# Altium PCB rf_detector.PcbDoc (part 1 of 3) (continued)
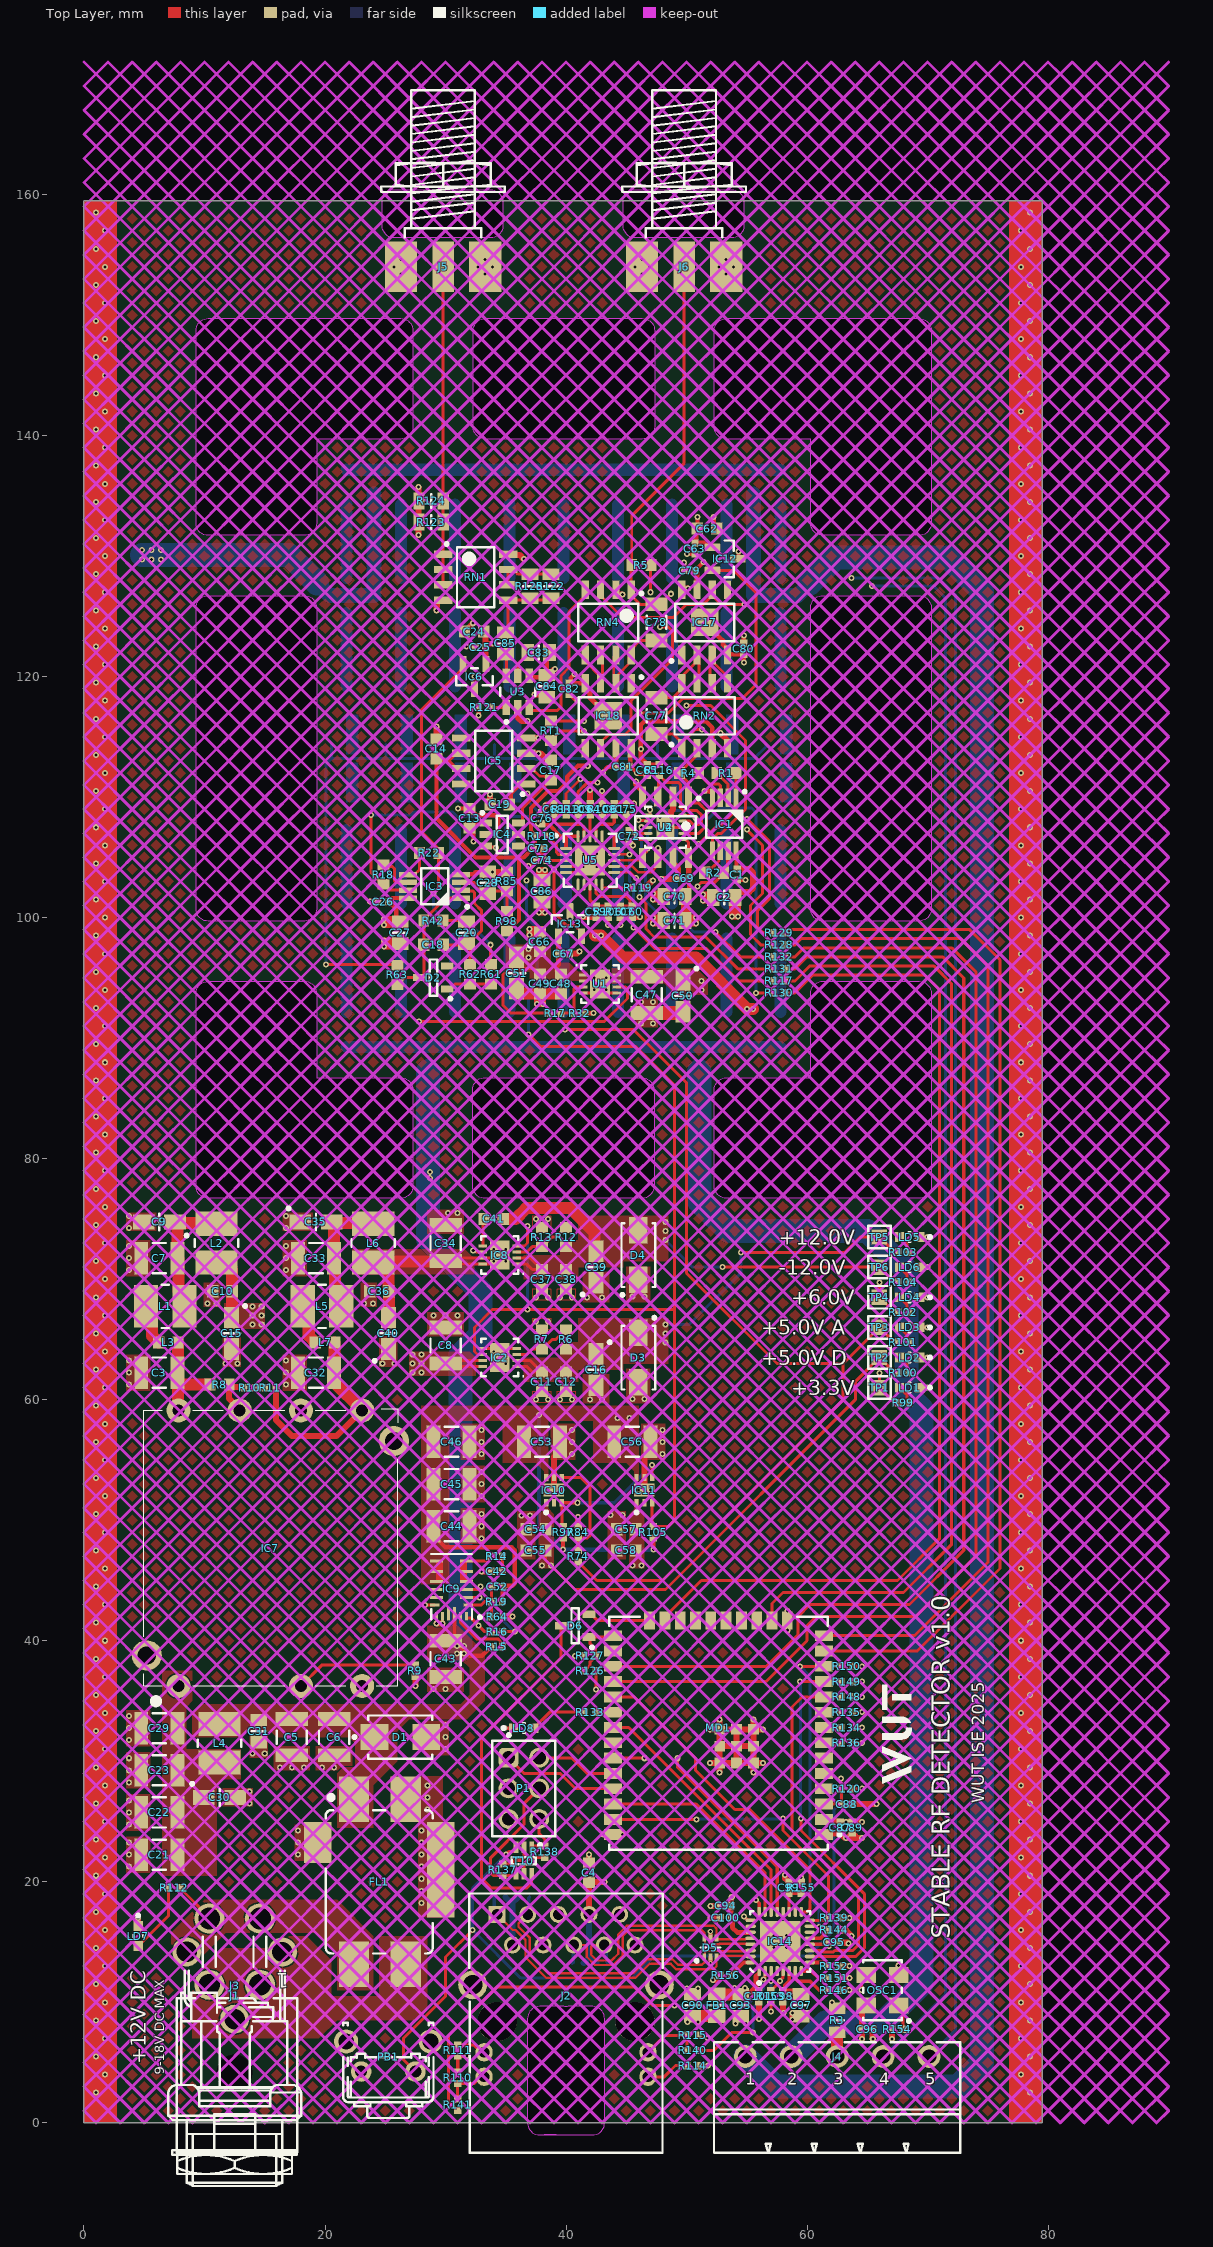
[diagram p0: Top Layer view]
## Classes and differential pairs
net class Ethernet: PHY_RD_N PHY_RD_P PHY_TD_N PHY_TD_P
differential pair class Ethernet: PHY_RD PHY_TD
net class Hpower: N13V0S NetC3_2 P12V0FIL
component class "RF Detector": C77 C78 C79 C80 C81 C82 C83 C84 C85 IC17 IC18 R121 R122 R123 R124 R125 RN1 RN2 RN4 U3
component class rf_detector_top: C1 C2 C4 D5 IC1 J2 J4 J5 J6 R1 R2 R3 R4 R5 R110 R111 R114 R115 RT1
component class "Power Supply": C3 C5 C6 C7 C8 C9 C10 C11 C12 C13 C14 C15 C16 C17 C19 C21 C22 C23 C29 C30 C31 C32 C33 C34 C35 C36 C37 C38 C39 C40 C41 C42 C43 C44 C45 C46 C47 C48 C49 C50 C51 C52 C53 C54 C55 C56 C57 C58 D1 D3 D4 FL1 IC2 IC4 IC5 IC7 IC8 IC9 IC10 IC11 J1 J3 L1 L2 L3 L4 L5 L6 L7 LD1 LD2 LD3 LD4 LD5 LD6 LD7 R6 R7 R8 R9 R10 R11 R12 R13 R14 R15 R16 R17 R19 R32 R64 R74 R84 R97 R99 R100 R101 R102 R103 R104 R105 R112 TP1 TP2 TP3 TP4 TP5 TP6 U1
component class "ESP32 and Ethernet": C87 C88 C89 C90 C93 C94 C95 C96 C97 C98 C99 C100 C101 D6 FB1 IC14 LD8 MD1 OSC1 P1 PB1 R120 R126 R127 R128 R129 R130 R131 R132 R133 R134 R135 R136 R137 R138 R139 R140 R141 R142 R143 R144 R145 R146 R147 R148 R149 R150 R151 R152 R153 R154 R155 R156 T10
component class "ADC & DAC": C59 C60 C61 C62 C63 C64 C65 C66 C67 C68 C69 C70 C71 C72 C73 C74 C75 C76 C86 IC12 IC13 R106 R107 R108 R109 R113 R116 R117 R118 R119 U2 U4 U5
net class PWR: P12V0
component class "Temperature Regulator": C18 C20 C24 C25 C26 C27 C28 D2 IC3 IC6 R18 R20 R21 R22 R23 R24 R25 R26 R27 R28 R29 R30 R31 R33 R34 R35 R36 R37 R38 R39 R40 R41 R42 R43 R44 R45 R46 R47 R48 R49 R50 R51 R52 R53 R54 R55 R56 R57 R58 R59 R60 R61 R62 R63 R65 R66 R67 R68 R69 R70 R71 R72 R73 R75 R76 R77 R78 R79 R80 R81 R82 R83 R85 R86 R87 R88 R89 R90 R91 R92 R93 R94 R95 R96 R98 SCREW1 SCREW2 SCREW3 SCREW4 T1 T2 T3 T4 T5 T6 T7 T8 T9
differential pair PHY_TD: +PHY_TD_P -PHY_TD_N
differential pair PHY_RD: +PHY_RD_P -PHY_RD_N

## Components (designator, comment, footprint, x,y, rotation, side; value= is the part's Value field where it differs from the comment)
C1 "100nF" CAPC1005X55N 54.225,103.575 r90 top
C2 "10uF" CAPC2012X135N 53.125,101.675 r0 top
C3 "22uF" CAPC3225X140N 6.25,62.25 r0 top
C4 "10nF" CAPC1608X87N 41.905,20.75 r270 top
C5 "22uF" CAPC3225X140N 17.25,32 r90 top
C6 "22uF" CAPC3225X140N 20.75,32 r90 top
C7 "22uF" CAPC3225X140N 6.25,71.75 r0 top
C8 "22uF" CAPC3225X140N 30,64.5 r270 top
C9 "10uF" CAPMP3216X180N 6.25,74.75 r180 top
C10 "1uF" CAPC1608X87N 11.5,69 r0 top
C11 "1uF" CAPC1608X87N 38,61.5 r90 top
C12 "1uF" CAPC1608X87N 40,61.5 r90 top
C13 "1uF" CAPC1608X87N 32,108.25 r270 top
C14 "1uF" CAPC1608X87N 29.25,114 r270 top
C15 "10uF" CAPMP3216X180N 12.25,65.5 r270 top
C16 "10uF" CAPMP3216X180N 42.5,62.5 r270 top
C17 "1uF" CAPC1608X87N 38.75,112.25 r270 top
C18 "100pF" CAPC1608X87N 28.996,97.75 r180 top
C19 "1uF" CAPC1608X87N 34.5,109.4 r0 top
C20 "22uF" CAPC2012X135N 31.746,98.75 r90 top
C21 "22uF" CAPC3225X140N 6.25,22.25 r0 top
C22 "22uF" CAPC3225X140N 6.25,25.75 r0 top
C23 "22uF" CAPC3225X140N 6.25,29.25 r0 top
C24 "1uF" CAPC1608X87N 32.375,123.725 r0 top
C25 "100nF" CAPC1005X55N 32.9,122.45 r0 top
C26 "100nF" CAPC1005X55N 24.838,101.323 r0 top
C27 "10uF" CAPC2012X135N 26.246,98.75 r90 top
C28 "47nF" CAPC2012X135N 33.5,102.9 r270 top
C29 "22uF" CAPC3225X140N 6.25,32.75 r0 top
C30 "10uF" CAPMP3216X180N 11.25,27 r0 top
C31 "22uF" CAPC2012X135N 14.5,32.5 r90 top
C32 "22uF" CAPC3225X140N 19.25,62.25 r0 top
C33 "22uF" CAPC3225X140N 19.25,71.75 r0 top
C34 "22uF" CAPC3225X140N 30,73 r270 top
C35 "10uF" CAPMP3216X180N 19.25,74.75 r0 top
C36 "1uF" CAPC1608X87N 24.5,69 r0 top
C37 "1uF" CAPC1608X87N 38,70 r90 top
C38 "1uF" CAPC1608X87N 40,70 r90 top
C39 "10uF" CAPMP3216X180N 42.5,71 r90 top
C40 "10uF" CAPMP3216X180N 25.25,65.5 r90 top
C41 "10nF" CAPC1608X87N 34,75 r180 top
C42 "470pF" CAPC1005X55N 34.25,45.75 r180 top
C43 "22uF" CAPC3225X140N 30,38.5 r90 top
C44 "22uF" CAPC3225X140N 30.5,49.5 r180 top
C45 "22uF" CAPC3225X140N 30.5,53 r180 top
C46 "22uF" CAPC3225X140N 30.5,56.5 r180 top
C47 "22uF" CAPC3225X140N 46.7,93.6 r90 top
C48 "1uF" CAPC1608X87N 39.575,94.5 r90 top
C49 "1uF" CAPC1608X87N 37.825,94.5 r90 top
C50 "10uF" CAPMP3216X180N 49.7,93.5 r270 top
C51 "10uF" CAPMP3216X180N 35.9,95.4 r270 top
C52 "22pF" CAPC1005X55N 34.28,44.5 r0 top
C53 "22uF" CAPC3225X140N 38,56.5 r180 top
C54 "1uF" CAPC1608X87N 37.5,49.25 r0 top
C55 "1uF" CAPC1608X87N 37.5,47.5 r0 top
C56 "22uF" CAPC3225X140N 45.5,56.5 r180 top
C57 "1uF" CAPC1608X87N 45,49.25 r0 top
C58 "1uF" CAPC1608X87N 45,47.5 r0 top
C59 "10nF" CAPC1005X55N 42.5,100.5 r90 top
C60 "10nF" CAPC1005X55N 45.5,100.5 r90 top
C61 "100nF" CAPC1005X55N 44,109 r270 top
C62 "1uF" CAPC1608X87N 51.7,132.275 r180 top
C63 "100nF" CAPC1005X55N 50.7,130.625 r90 top
C64 "100nF" CAPC1005X55N 42,109 r270 top
C65 "100nF" CAPC1005X55N 46.75,112.25 r90 top
C66 "1uF" CAPC1608X87N 37.825,98 r270 top
C67 "100nF" CAPC1005X55N 39.825,97 r180 top
C68 "100nF" CAPC1005X55N 39,109 r270 top
C69 "100nF" CAPC1005X55N 49.75,103.25 r0 top
C70 "10uF" CAPC2012X135N 49,101.75 r0 top
C71 "10uF" CAPC2012X135N 49,99.75 r0 top
C72 "100nF" CAPC1005X55N 45.25,106.75 r270 top
C73 "100nF" CAPC1005X55N 37.75,105.75 r180 top
C74 "100nF" CAPC1005X55N 38,104.75 r0 top
C75 "100nF" CAPC1005X55N 45,109 r270 top
C76 "100nF" CAPC1005X55N 38,108.25 r270 top
C77 "47pF" CAPC3216X94N 47.5,116.75 r270 top
C78 "47pF" CAPC3216X94N 47.5,124.5 r90 top
C79 "100nF" CAPC1005X55N 50.25,128.804 r0 top
C80 "100nF" CAPC1005X55N 54.75,122.304 r270 top
C81 "100nF" CAPC1005X55N 44.75,112.5 r180 top
C82 "100nF" CAPC1005X55N 40.25,119 r90 top
C83 "47nF" CAPC2012X135N 37.725,122 r180 top
C84 "47nF" CAPC2012X135N 38.4,119.2 r90 top
C85 "47nF" CAPC2012X135N 34.975,122.75 r270 top
C86 "10uF" CAPC2012X135N 38,102.2 r90 top
C87 "1uF" CAPC1005X55N 62.75,24.5 r90 top
C88 "1uF" CAPC1005X55N 63.3,26.45 r180 top
C89 "1uF" CAPC1005X55N 63.75,24.5 r90 top
C90 "10uF" CAPC2012X135N 50.5,9.75 r90 top
C93 "10uF" CAPC2012X135N 54.5,9.75 r270 top
C94 "100nF" CAPC1005X55N 53.25,18 r0 top
C95 "100nF" CAPC1005X55N 62.25,15 r180 top
C96 "100nF" CAPC1005X55N 65,7.75 r180 top
C97 "10uF" CAPC2012X135N 59.5,9.75 r270 top
C98 "100nF" CAPC1005X55N 58,10.5 r90 top
C99 "1uF" CAPC1005X55N 58.5,19.5 r270 top
C100 "100nF" CAPC1005X55N 53.25,17 r0 top
C101 "100nF" CAPC1005X55N 56,10.5 r90 top
D1 "SMBJ12A" DIOM5336X265N 26.25,32 r0 top
D2 "BZX84C6V2" SOT95P248X115-3N 28.996,95.027 r180 top
D3 "SS16" DIOM5127X229N 46,63.5 r270 top
D4 "SS16" DIOM5127X229N 46,72 r90 top
D5 "NUP4114UPXV6T1G" SOTFL50P160X60-6N 51.982,14.544 r90 top
D6 "BAT54C" SOT95P240X130-3N 40.75,41.25 r180 top
FB1 "220R@100MHz" INDC2012X105N 52.5,9.75 r270 top
FL1 "10A/50VDC" FIL_MURATA_BNX02 24.5,20 r90 top
IC1 "ADA4522-2ARMZ" SOP65P490X110-8N 53.125,107.75 r270 top
IC2 "LT1965EDD#TRPBF" LT-DD-8_V 34.5,63.5 r180 top
IC3 "ADA4522-2ARMZ" SOP65P490X110-8N 29.1,102.6 r180 top
IC4 "TPS22810DBV" SOT95P280X145-6N 34.7,106.9 r0 top
IC5 "MAX6126AASA21" SOIC127P600X175-8N 34,113 r180 top
IC6 "TMP235A2DBZR" FP-DBZ0003A-MFG 32.4,120 r270 top
IC7 "" CC6-1212DF-E 5.21,38.79 r90 top
IC8 "LT1964EDD#TRPBF" LT-DD-8_V 34.5,72 r180 top
IC9 "MPM3630GQV-Z" MPM3610A 30.5,44.5 r180 top
IC10 "LP5912-5.0DRVT" SON65P200X200X80-7N-R110X170 39,52.5 r90 top
IC11 "LP5912-3.3DRVT" SON65P200X200X80-7N-R110X170 46.5,52.5 r90 top
IC12 "TMP235A2DBZR" FP-DBZ0003A-MFG 53.2,129.775 r0 top
IC13 "TMP235A2DBZR" FP-DBZ0003A-MFG 40.325,99.5 r90 top
IC14 "LAN8710A-EZC" QFN50P500X500X100-33N-S340 57.775,15.05 r90 top
IC17 "ADA4898-1YRDZ" SOIC127P600X175-9N-S229 51.5,124.5 r90 top
IC18 "ADA4898-1YRDZ" SOIC127P600X175-9N-S229 43.5,116.75 r270 top
J1 "Mini-Fit Jr.™" MOLEX_39-30-0040 12.5,14.2 r180 top locked
J2 "RJ45" ABRACON_ARJM11C7-114-BA-EW2 40,8.4 r0 top locked
J3 "Jack" SWITCHCRAFT_712RA 12.5,8.6 r0 top locked
J4 "" PHOENIX_1803303 62.5,5.5 r0 top locked
J5 "SMA" MOLEX_73251-2121 29.8,154 r270 top
J6 "SMA" MOLEX_73251-2121 49.8,154 r270 top
L1 "10uH" IND_MURATA-PS_8400 6.75,67.75 r0 top
L2 "10uH" IND_MURATA-PS_8400 11,73 r270 top
L3 "120R@100MHz" INDC1608X95N 7,64.75 r180 top
L4 "10uH" IND_MURATA-PS_8400 11.25,31.5 r270 top
L5 "10uH" IND_MURATA-PS_8400 19.75,67.75 r0 top
L6 "10uH" IND_MURATA-PS_8400 24,73 r270 top
L7 "120R@100MHz" INDC1608X95N 20,64.75 r180 top
LD1 "Green" LED_KINGBRIGHT_KPH-1608CGCK 68.5,61 r180 top
LD2 "Green" LED_KINGBRIGHT_KPH-1608CGCK 68.5,63.5 r180 top
LD3 "Green" LED_KINGBRIGHT_KPH-1608CGCK 68.5,66 r180 top
LD4 "Green" LED_KINGBRIGHT_KPH-1608CGCK 68.5,68.5 r180 top
LD5 "Green" LED_KINGBRIGHT_KPH-1608CGCK 68.5,73.5 r180 top
LD6 "Green" LED_KINGBRIGHT_KPH-1608CGCK 68.5,71 r0 top
LD7 "Green" LED_KINGBRIGHT_KPH-1608CGCK 4.5,15.5 r270 top
LD8 "Green" LED_KINGBRIGHT_KPH-1608CGCK 36.5,32.75 r0 top
MD1 "ESP32-WROOM-32UE (4MB)" FP-ESP32-WROOM-32UE_4MB-MFG 52.65,32.32 r180 top
OSC1 "50MHz" OSCSC254P320X500X130-4N 66.25,11 r180 top
P1 "61300621121" 61300621121 36.5,27.75 r270 top
PB1 "Push Button" PB_ALPS_SKHHLMA010 25.25,5.5 r90 top locked
R1 "1k" RESC1608X55N 53.3,112 r0 top
R2 "1k" RESC1608X55N 52.275,103.725 r0 top
R3 "0" RESC2012X60N 62.5,8.5 r270 top
R4 "1k" RESC1608X55N 50.2,112 r0 top
R5 "1k" RESC1608X55N 46.25,129.25 r0 top
R6 "24k" RESC1608X55N 40,65 r270 top
R7 "2k7" RESC1608X55N 38,65 r270 top
R8 "Undefined" RESC1608X55N 11.25,61.25 r0 top
R9 "0" RESC1005X40N 27.5,37.5 r270 top
R10 "18k" RESC1005X40N 13.75,61 r180 top
R11 "18k" RESC1005X40N 15.47,61 r180 top
R12 "24k" RESC1608X55N 40,73.5 r270 top
R13 "2k7" RESC1608X55N 38,73.5 r270 top
R14 "4R7" RESC1005X40N 34.25,47 r0 top
R15 "100k" RESC1005X40N 34.25,39.5 r180 top
R16 "10k" RESC1005X40N 34.28,40.75 r180 top
R17 "8k45" RESC1005X40N 39.12,92.075 r180 top
R18 "1k" RESC1608X55N 24.85,103.573 r270 top
R19 "51k" RESC1005X40N 34.25,43.25 r0 top
R20 "0" RESC2012X60N 28.55,88.25 r270 bottom
R21 "0" RESC2012X60N 51.05,88.25 r270 bottom
R22 "1k" RESC1608X55N 28.635,105.373 r180 top
R23 "43" RESC3216X65N 57.8,90.715 r270 bottom
R24 "43" RESC3216X65N 53.3,90.715 r270 bottom
R25 "43" RESC3216X65N 48.8,90.715 r270 bottom
R26 "43" RESC3216X65N 44.3,90.715 r270 bottom
R27 "43" RESC3216X65N 39.8,90.715 r270 bottom
R28 "43" RESC3216X65N 35.3,90.715 r270 bottom
R29 "43" RESC3216X65N 30.8,90.715 r270 bottom
R30 "43" RESC3216X65N 26.3,90.715 r270 bottom
R31 "43" RESC3216X65N 21.8,90.715 r270 bottom
R32 "2k7" RESC1005X40N 41.15,92.075 r180 top value=2K7
R33 "43" RESC3216X65N 57.8,99.715 r270 bottom
R34 "43" RESC3216X65N 53.8,99.715 r270 bottom
R35 "43" RESC3216X65N 48.8,99.715 r270 bottom
R36 "43" RESC3216X65N 44.3,99.715 r270 bottom
R37 "43" RESC3216X65N 39.8,99.715 r270 bottom
R38 "43" RESC3216X65N 35.3,99.715 r270 bottom
R39 "43" RESC3216X65N 30.8,99.715 r270 bottom
R40 "43" RESC3216X65N 26.3,99.715 r270 bottom
R41 "43" RESC3216X65N 21.8,99.715 r270 bottom
R42 "10M" RESC1608X55N 28.996,99.75 r180 top
R43 "43" RESC3216X65N 57.8,108.715 r270 bottom
R44 "43" RESC3216X65N 53.3,108.715 r270 bottom
R45 "43" RESC3216X65N 48.8,108.715 r270 bottom
R46 "43" RESC3216X65N 44.3,108.715 r270 bottom
R47 "43" RESC3216X65N 39.8,108.715 r270 bottom
R48 "43" RESC3216X65N 35.3,108.715 r270 bottom
R49 "43" RESC3216X65N 30.8,108.715 r270 bottom
R50 "43" RESC3216X65N 26.3,108.715 r270 bottom
R51 "43" RESC3216X65N 21.8,108.715 r270 bottom
R52 "0" RESC1608X55N 58.275,113.215 r270 bottom
R53 "0" RESC1608X55N 53.775,113.215 r270 bottom
R54 "0" RESC1608X55N 49.275,113.215 r270 bottom
R55 "0" RESC1608X55N 44.775,113.215 r270 bottom
R56 "0" RESC1608X55N 40.275,113.215 r270 bottom
R57 "0" RESC1608X55N 35.775,113.215 r270 bottom
R58 "0" RESC1608X55N 31.275,113.215 r270 bottom
R59 "0" RESC1608X55N 26.775,113.215 r270 bottom
R60 "0" RESC1608X55N 22.275,113.215 r270 bottom
R61 "1k" RESC1608X55N 33.781,95.3 r270 top
R62 "100k" RESC1608X55N 32.031,95.3 r90 top
R63 "10k" RESC1608X55N 25.996,95.25 r90 top
R64 "5k62" RESC1005X40N 34.28,42 r180 top
R65 "43" RESC3216X65N 57.8,117.715 r270 bottom
R66 "43" RESC3216X65N 53.3,117.715 r270 bottom
R67 "43" RESC3216X65N 48.8,117.715 r270 bottom
R68 "43" RESC3216X65N 44.3,117.715 r270 bottom
R69 "43" RESC3216X65N 39.8,117.715 r270 bottom
R70 "43" RESC3216X65N 35.3,117.715 r270 bottom
R71 "43" RESC3216X65N 30.8,117.715 r270 bottom
R72 "43" RESC3216X65N 26.3,117.715 r270 bottom
R73 "43" RESC3216X65N 21.8,117.715 r270 bottom
R74 "5k62" RESC1005X40N 41,47 r90 top
R75 "43" RESC3216X65N 57.8,126.715 r270 bottom
R76 "43" RESC3216X65N 53.3,126.715 r270 bottom
R77 "43" RESC3216X65N 48.8,126.715 r270 bottom
R78 "43" RESC3216X65N 44.3,126.715 r270 bottom
R79 "43" RESC3216X65N 39.8,126.715 r270 bottom
R80 "43" RESC3216X65N 35.3,126.715 r270 bottom
R81 "43" RESC3216X65N 30.8,126.715 r270 bottom
R82 "43" RESC3216X65N 26.3,126.715 r270 bottom
R83 "43" RESC3216X65N 21.8,126.715 r270 bottom
R84 "2k4" RESC1005X40N 41,49 r270 top
R85 "10k" RESC1608X55N 35.1,103 r270 top
R86 "43" RESC3216X65N 57.8,135.715 r270 bottom
R87 "43" RESC3216X65N 53.3,135.715 r270 bottom
R88 "43" RESC3216X65N 48.8,135.715 r270 bottom
R89 "43" RESC3216X65N 44.3,135.715 r270 bottom
R90 "43" RESC3216X65N 39.8,135.715 r270 bottom
R91 "43" RESC3216X65N 35.3,135.715 r270 bottom
R92 "43" RESC3216X65N 30.8,135.715 r270 bottom
R93 "43" RESC3216X65N 26.3,135.715 r270 bottom
R94 "43" RESC3216X65N 21.8,135.715 r270 bottom
R95 "0" RESC2012X60N 24.05,136.15 r90 bottom
R96 "0" RESC2012X60N 55.55,136.15 r90 bottom
R97 "10k" RESC1005X40N 39.75,49 r270 top
R98 "10k" RESC1608X55N 35.1,99.7 r270 top
R99 "1k" RESC1005X40N 68,59.75 r0 top
R100 "2k4" RESC1005X40N 68,62.25 r0 top
R101 "2k4" RESC1005X40N 68,64.75 r0 top
R102 "5k1" RESC1005X40N 68,67.25 r0 top
R103 "10k" RESC1005X40N 68,72.25 r180 top
R104 "10k" RESC1005X40N 68,69.75 r180 top
R105 "10k" RESC1005X40N 47.25,49 r270 top
R106 "1k" RESC1005X40N 43.5,100.5 r90 top
R107 "1k" RESC1005X40N 44.5,100.5 r90 top
R108 "10k" RESC1005X40N 43,109 r270 top
R109 "10k" RESC1005X40N 41,109 r270 top
R110 "10k" RESC1005X40N 31,3.75 r270 top
R111 "330" RESC1005X40N 31,6 r90 top
R112 "10k" RESC1005X40N 7.5,19.5 r180 top
R113 "10k" RESC1005X40N 40,109 r270 top
R114 "330" RESC1005X40N 50.5,4.75 r180 top
R115 "10k" RESC1005X40N 50.5,7.25 r180 top
R116 "0" RESC1005X40N 47.75,112.25 r90 top
R117 "33" RESC1005X40N 57.68,94.75 r180 top
R118 "0" RESC1005X40N 38,106.75 r180 top
R119 "0" RESC1005X40N 46,102.5 r0 top
R120 "10k" RESC1005X40N 63.3,27.72 r180 top
R121 "18k" RESC1005X40N 33.225,117.45 r180 top
R122 "24R9" RESC2012X60N 38.75,127.5 r270 top
R123 "100" RESC2012X60N 28.8,132.825 r0 top
R124 "100" RESC2012X60N 28.8,134.575 r0 top
R125 "24R9" RESC2012X60N 37,127.5 r270 top
R126 "10" RESC1005X40N 42,37.5 r0 top
R127 "1k" RESC1005X40N 42,38.75 r0 top
R128 "33" RESC1005X40N 57.68,97.75 r0 top
R129 "33" RESC1005X40N 57.68,98.75 r0 top
R130 "33" RESC1005X40N 57.68,93.75 r0 top
R131 "33" RESC1005X40N 57.68,95.75 r0 top
R132 "33" RESC1005X40N 57.68,96.75 r0 top
R133 "1k" RESC1005X40N 42,34.07 r180 top
R134 "10k" RESC1005X40N 63.3,32.8 r0 top
R135 "10k" RESC1005X40N 63.3,34.07 r0 top
R136 "1k" RESC1005X40N 63.3,31.53 r180 top
R137 "1k" RESC1005X40N 34.75,21 r270 top
R138 "1k" RESC1005X40N 38.25,22.5 r90 top
R139 "10k" RESC1005X40N 62.25,17 r0 top
R140 "330" RESC1005X40N 50.5,6 r180 top
R141 "330" RESC1005X40N 31,1.5 r90 top
R142 "49R9" RESC1005X40N 41,13.25 r180 bottom
R143 "49R9" RESC1005X40N 43,13.25 r0 bottom
R144 "10k" RESC1005X40N 62.25,16 r0 top
R145 "49R9" RESC1005X40N 34.5,18.75 r180 bottom
R146 "10k" RESC1005X40N 62.25,11 r0 top
R147 "49R9" RESC1005X40N 36.5,18.75 r0 bottom
R148 "10k" RESC1005X40N 63.3,35.34 r0 top
R149 "10k" RESC1005X40N 63.3,36.61 r0 top
R150 "10k" RESC1005X40N 63.3,37.88 r0 top
R151 "10k" RESC1005X40N 62.25,12 r0 top
R152 "10k" RESC1005X40N 62.25,13 r0 top
R153 "10" RESC1005X40N 57,10.5 r90 top
R154 "10k" RESC1005X40N 67.5,7.75 r180 top
R155 "10k" RESC1005X40N 59.5,19.5 r90 top
R156 "12k1" RESC1005X40N 53.25,12.25 r0 top
RN1 "100R" SOIC127P600X175-8N 32.5,128.25 r0 top
RN2 "10k" SOIC127P600X175-8N 51.5,116.75 r90 top
RN4 "10k" SOIC127P600X175-8N 43.5,124.5 r270 top
RT1 "10k" THERMC1608X90N 38.75,115.5 r90 top
T1 "PMV40UN2" SOT95P230X110-3N 57.525,113.215 r270 bottom
T2 "PMV40UN2" SOT95P230X110-3N 53.025,113.215 r270 bottom
T3 "PMV40UN2" SOT95P230X110-3N 48.525,113.215 r270 bottom
T4 "PMV40UN2" SOT95P230X110-3N 44.025,113.215 r270 bottom
T5 "PMV40UN2" SOT95P230X110-3N 39.525,113.215 r270 bottom
T6 "PMV40UN2" SOT95P230X110-3N 35.025,113.215 r270 bottom
T7 "PMV40UN2" SOT95P230X110-3N 30.525,113.215 r270 bottom
T8 "PMV40UN2" SOT95P230X110-3N 26.025,113.215 r270 bottom
T9 "PMV40UN2" SOT95P230X110-3N 21.525,113.215 r270 bottom
T10 "BC847BS" SOT65P210X110-6N 36.5,21.75 r270 top
TP1 "Test Point" TPS127 66,61 r90 top
TP2 "Test Point" TPS127 66,63.5 r90 top
TP3 "Test Point" TPS127 66,66 r90 top
TP4 "Test Point" TPS127 66,68.5 r90 top
TP5 "Test Point" TPS127 66,73.5 r90 top
TP6 "Test Point" TPS127 66,71 r90 top
U1 "LT1965EDD#TRPBF" LT-DD-8_V 42.825,94.5 r0 top
U2 "AD5541CRZ" R-8_N 48.25,107.5 r270 top
U3 "LTC5507ES6#TRMPBF" FP-LTC5507ES6#TRMPBF-MFG 36,118.75 r90 top
U4 "AD5541ABCPZ-REEL7" CP-10-9_L 48.25,107.5 r180 top
U5 "AD7699BCPZRL7" CP-20-4_M 42,104.75 r0 top

## Footprints (in the part's own frame and the unit in brackets; to place one, negate y for a bottom-side part, rotate by r counter-clockwise, add the part's x,y. Pads: shape width x height; smd on the part's side, far side on the other; paste and mask are expansions set on the pad)
61300621121 [mm] "Pin Header, pitch 2.54 mm, THT, Vertical, dual row, 6p"
  rrect50% 1.65x1.65 hole 1.1: 1(-2.54,-1.27)
  round 1.65 hole 1.1: 2(-2.54,1.27) 3(0,-1.27) 4(0,1.27) 5(2.54,-1.27) 6(2.54,1.27)
  silkscreen extent -4.54,-2.62 3.96,2.62, body extent -3.81,-2.54 3.81,2.54, height 8.59
ABRACON_ARJM11C7-114-BA-EW2 [mm]
  round 1.4 hole 0.9: 1(5.715,6.35) 2(4.445,8.89) 3(3.175,6.35) 4(1.905,8.89) 5(0.635,6.35) 6(-0.635,8.89) 7(-1.905,6.35) 8(-3.175,8.89) 9(-4.445,6.35)
  rect 1.4x1.4 hole 0.9: 10(-5.715,8.89)
  oval 1.4x1.52 hole 0.9: L1(-6.8,-2.55) L2(-6.8,-4.58) L3(6.8,-2.55) L4(6.8,-4.58)
  round 3.25 hole 3.25 unplated: MH1(-5.715,0) MH2(5.715,0)
  round 2.4 hole 1.6: S1(-7.745,3.05) S2(7.745,3.05)
  silkscreen extent -8.04,-10.87 8.04,10.63, body extent -10.33,-10.87 10.33,10.63, height 16.15
CAPC1005X55N [mm] "Capacitor, Non-Polarized, Chip; 1.00mm L X 0.50mm W X 0.70mm H, IPC Medium Density"
  rect 0.62x0.62 smd: 1(-0.45,0) 2(0.45,0)
  body extent -0.52,-0.27 0.53,0.28, height 0.55
CAPC1608X87N [mm] "Chip Capacitor, Body 1.6x0.8mm IPC Medium Density"
  rect 0.95x1 smd: 1(-0.8,0) 2(0.8,0)
  body extent -0.87,-0.47 0.88,0.48, height 0.87
CAPC2012X135N [mm] "Chip Capacitor, Body 2.0x1.25mm, IPC Medium Density"
  rect 1.05x1.4 smd: 1(-0.9,0) 2(0.9,0)
  silkscreen extent 0,-0.58 0,0.58, body extent -1.05,-0.67 1.05,0.68, height 1.25
CAPC3216X94N [mm] "Chip Capacitor, Body 3.2x1.6mm, IPC Medium Density"
  rect 1.15x1.8 smd: 1(-1.5,0) 2(1.5,0)
  silkscreen extent -0.55,-0.8 0.55,0.8, body extent -1.7,-0.9 1.7,0.9, height 0.94
CAPC3225X140N [mm] "Chip Capacitor, Body 3.2x2.5mm, IPC Medium Density"
  rect 1.15x2.7 smd: 1(-1.5,0) 2(1.5,0)
  silkscreen extent -0.55,-1.25 0.55,1.25, body extent -1.7,-1.35 1.7,1.35, height 1.4
CAPMP3216X180N [mm] "Capacitor, Polarized, Molded  Body 3.2x1.6mm, IPC Medium Density"
  rect 1.8x1.25 smd: 1(-1.3,0) 2(1.3,0)
  silkscreen extent -2.4,-0.7 0,1.25, body extent -1.7,-0.9 1.7,0.9, height 1.6
CC6-1212DF-E [mm]
  round 2 hole 1: 1(-2.54,-2.63) 2(-2.54,-12.79) 3(-2.54,-17.87) 4(20.32,-17.87) 5(20.32,-12.79) 6(20.32,-7.71) 7(20.32,-2.63)
  round 2.5 hole 1.5: 8(0,0) 9(17.78,-20.5)
  silkscreen extent -4.06,-20.83 20.44,0.25, body extent -2.72,-20.81 20.44,0.29, height 8.4
CP-10-9_L [mm] "SON, 10-Leads, Body 3x3mm, Pitch 0.5mm, Thermal Pad 2.35x1.6mm, IPC High Density"
  oval 0.7x0.25 smd: 1(-1.425,1) 2(-1.425,0.5) 3(-1.425,0) 4(-1.425,-0.5) 5(-1.425,-1) 6(1.425,-1) 7(1.425,-0.5) 8(1.425,0) 9(1.425,0.5) 10(1.425,1)
  rrect15% 1.5x2.1 smd: 11(0,0)
  silkscreen extent -2.15,-1.7 1.7,1.75, body extent -1.55,-1.55 1.55,1.55, height 0.8
CP-20-4_M [mm] "QFN, 20-Leads, Body 4x4mm, Pitch 0.5mm, Thermal Pad 2.5x2.5mm, IPC Low Density"
  oval 1x0.25 smd: 1(-2,1) 2(-2,0.5) 3(-2,0) 4(-2,-0.5) 5(-2,-1) 11(2,-1) 12(2,-0.5) 13(2,0) 14(2,0.5) 15(2,1)
  oval 0.25x1 smd: 6(-1,-2) 7(-0.5,-2) 8(0,-2) 9(0.5,-2) 10(1,-2) 16(1,2) 17(0.5,2) 18(0,2) 19(-0.5,2) 20(-1,2)
  rect 2.5x2.5 smd: 21(0,0)
  silkscreen extent -2.97,-2.2 2.2,2.2, body extent -2.05,-2.05 2.05,2.05, height 1
DIOM5127X229N [mm] "DO-214-AC/SMA Diode, Molded Body; 5.10mm L X 2.67mm W X 2.29mm H, IPC Medium Density"
  rect 2.2x1.55 smd: 1(-2.05,0) 2(2.05,0)
  silkscreen extent -3.42,-1.4 2.65,1.45, body extent -2.67,-1.45 2.68,1.45, height 2.29
DIOM5336X265N [mm] "DO-214-AA/SMB Diode, Molded Body; 5.34mm L X 3.625mm W X 2.65mm H, IPC Medium Density"
  rect 2.3x2.15 smd: 1(-2.15,0) 2(2.15,0)
  silkscreen extent -3.92,-1.8 2.65,1.8, body extent -2.7,-1.95 2.7,1.95, height 2.4
FIL_MURATA_BNX02 [mm] "Block Type EMIFIL LC Combined Type, BNX02* Series"
  rect 3.8x2.5 smd: 1(-6.85,2.1) 2(6.85,2.1) 3(-6.85,-2.2) 4(6.85,-2.2)